# Altium PCB pcb-ash-power.PcbDoc (part 3 of 6) (continued)
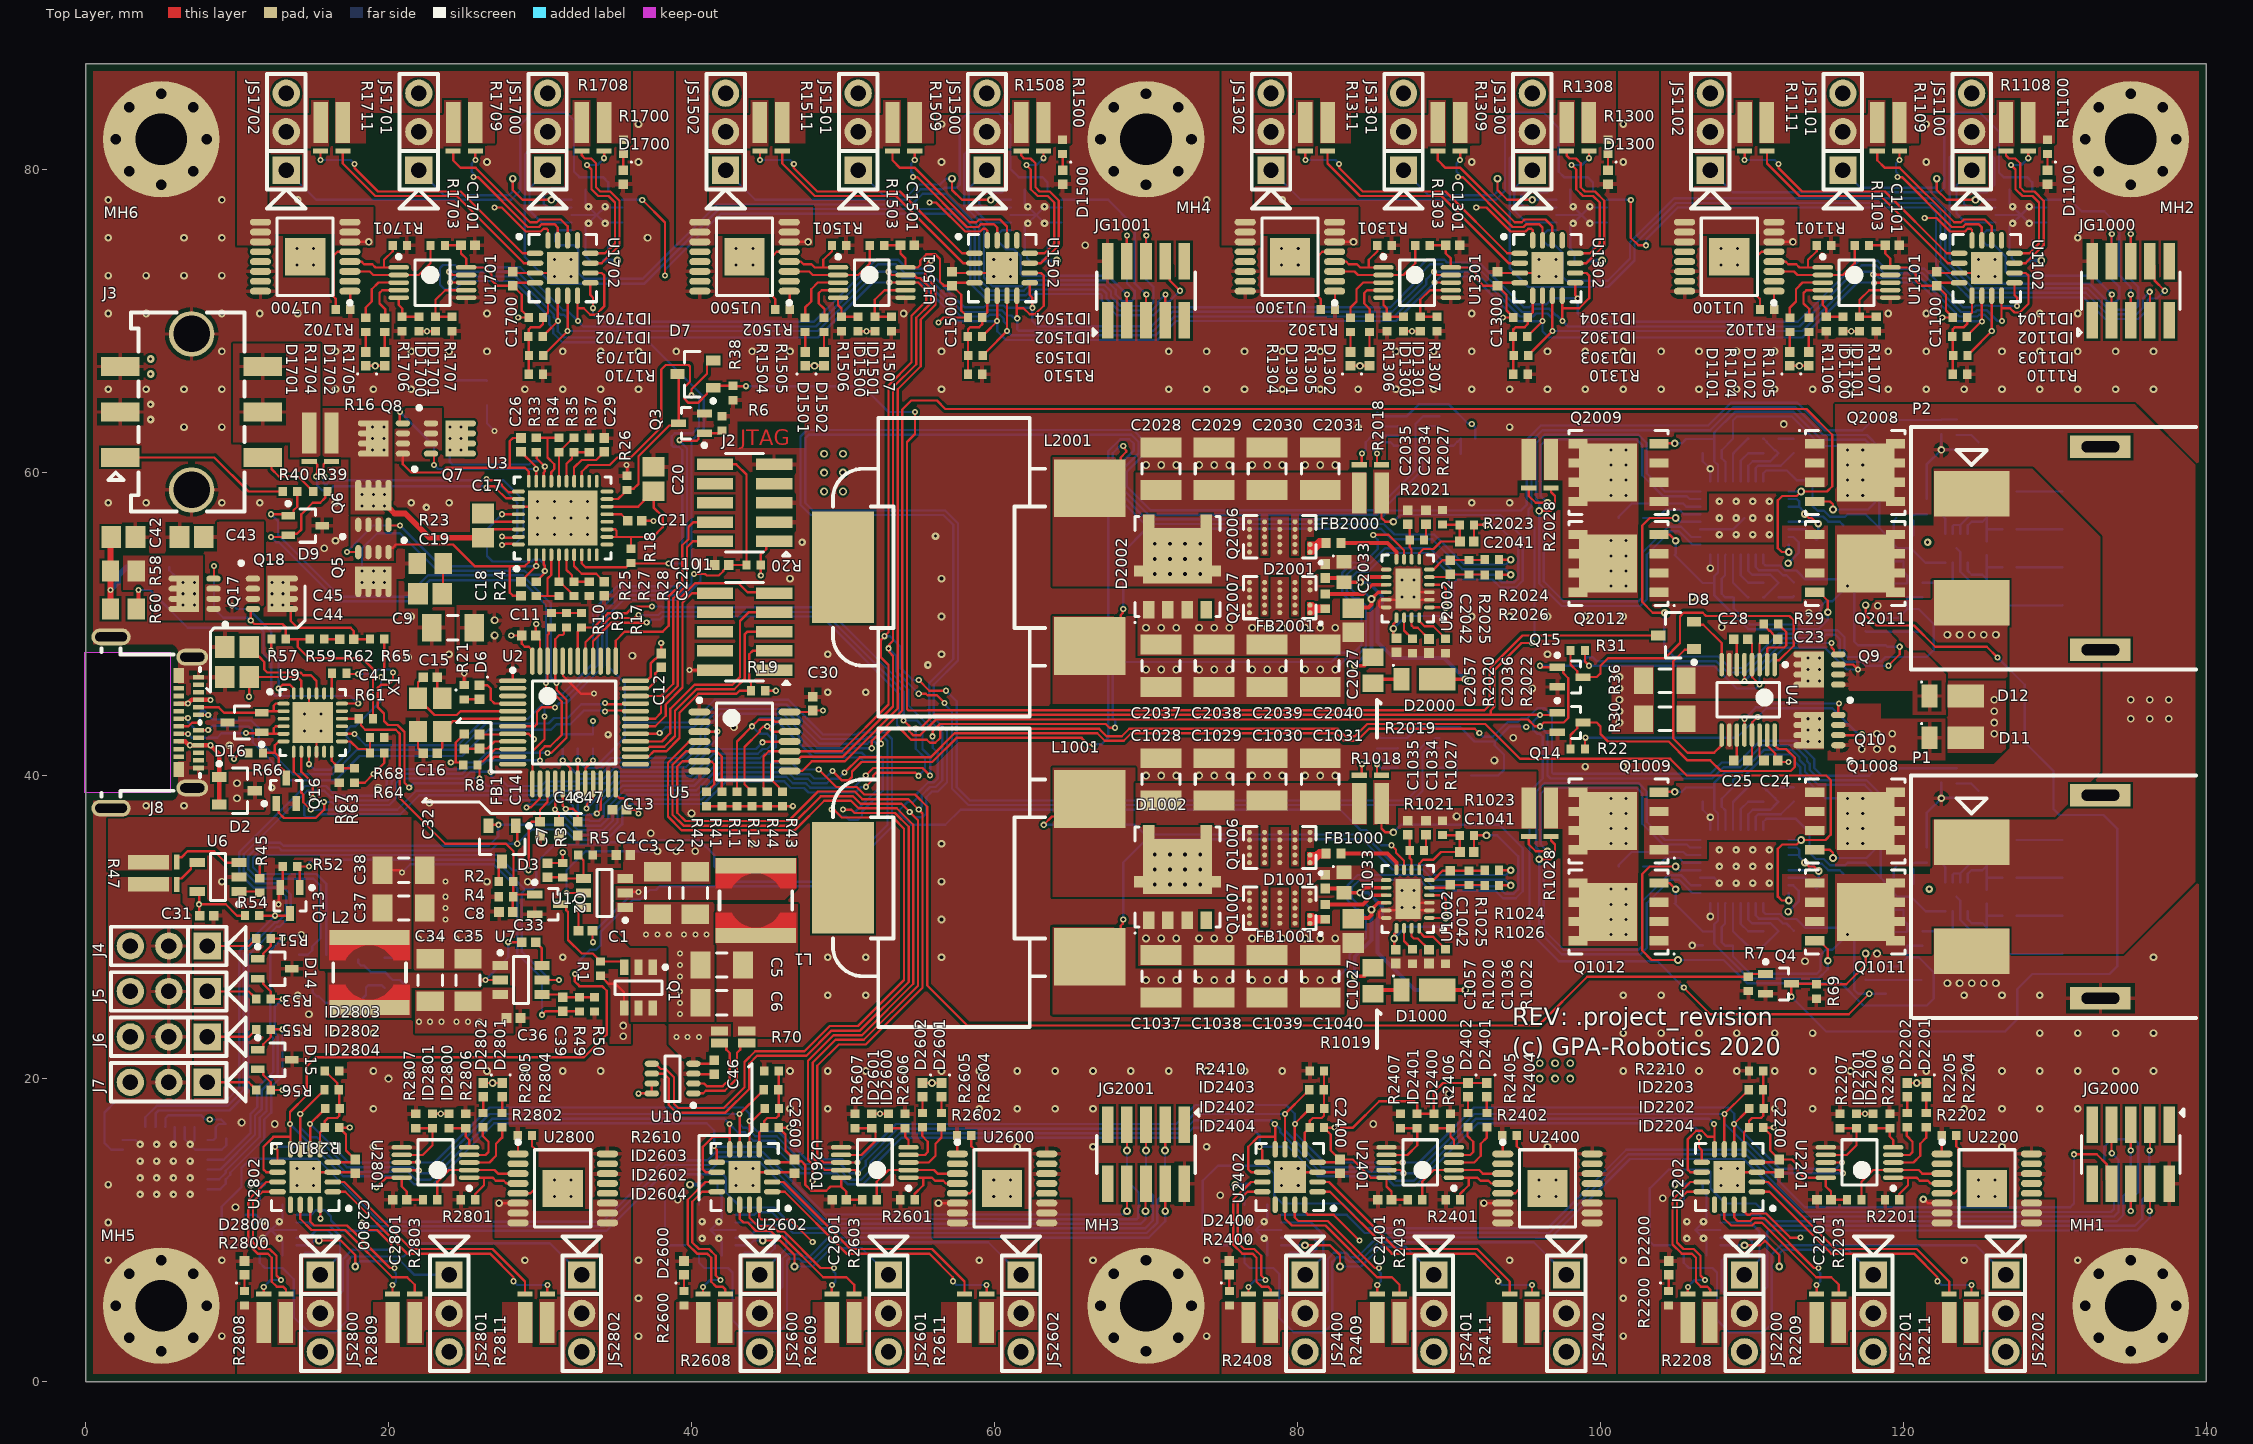
[diagram p0: Top Layer view]
## Nets (pads, with @x,y where several pads share a name; then routed paths per layer and width w, separated by ;. In a path a pad name is that pad's centre, name@x,y a point inside that pad or via, vN(x,y) a via of type N, cw(c..) or ccw(c..) an arc to the next point about the centre after c; other vN are vias at no path point) (continued)
  Bottom Layer w0.152: U8.21@2.45,15.95 3.3,15.95 v3(3.6,15.65) ; v3(5.8,15.65) 5.9,15.75 U8.26@5.9,16.8 ; U8.27@6.55,16.8 6.55,16 v3(6.9,15.65) ; U8.28@7.2,16.8 7.2,15.95 v3(6.9,15.65) ; C40.2@9.3,16.04 9.3,15.6 9,15.3 U8.2@8.05,15.3 7.25,15.3 v3(6.9,15.65) ; U2803.10@10.575,9.5 11.75,9.5 U2803.15@12.25,10 ; U2803.12@10.575,10.5 U2803.15@11.75,10.5 ; U2803.13@10.575,11 11.25,11 v3(11.7,10.55) U2803.15@11.75,10.5 ; v3(12.8,10.55) U2803.15@12.25,10 ; U2803.7@13,8.325 13,9.25 v3(12.8,9.45) U2803.15@12.25,10 ; U2803.15@13,10.75 U2803.1@13,11.675 ; U2803.4@13.925,10 U2803.15@12.25,10 ; C27.1@26.5,64.45 26.5,63.25 v2(27,62.75) ; U1703.4@32.075,77 U1703.15@33.75,77 ; U1703.15@33,76.25 U1703.1@33,75.325 33,74.29 C1702.1@33.29,74 ; U1703.7@33,78.675 33,77.75 v3(33.2,77.55) U1703.15@33.75,77 ; v3(33.2,76.45) U1703.15@33.75,77 ; U1703.12@35.425,76.5 34.25,76.5 U1703.15@33.75,77 ; U1703.10@35.425,77.5 34.25,77.5 U1703.15@33.75,77 ; C2602.1@41.71,13 41.71,12.542 42,12.252 U2603.1@42,11.675 U2603.15@42,10.75 ; v3(41.8,10.55) U2603.15@41.25,10 ; U2603.7@42,8.325 42,9.25 v3(41.8,9.45) U2603.15@41.25,10 ; U2603.4@42.925,10 U2603.15@41.25,10 ; U1503.15@62,76.25 U1503.1@62,75.325 62,74.6 62.141,74.459 62.141,74.149 C1502.1@62.29,74 ; U1503.7@62,78.675 62,77.75 v3(62.2,77.55) U1503.15@62.75,77 ; 62,74.6 U1503.15@62,76.25 ; U1503.7@62,78.675 62,77.75 U1503.15@62.75,77 ; U1503.10@64.425,77.5 63.25,77.5 U1503.15@62.75,77 ; v3(77.8,10.55) U2403.15@77.25,10 ; U2403.7@78,8.325 78,9.25 v3(77.8,9.45) U2403.15@77.25,10 ; U2403.15@78,10.75 U2403.1@78,11.675 ; U2403.4@78.925,10 U2403.15@77.25,10 ; C1026.1@85.25,41.79 86.59,41.79 U1000.3@86.625,41.825 ; C2026.1@85.25,63.04 86.59,63.04 U2000.3@86.625,63.075 ; U1303.4@97.075,77 U1303.15@98.75,77 ; U1303.7@98,78.675 98,77.75 v3(98.2,77.55) U1303.15@98.75,77 ; C1302.1@98.29,74 98.29,74.51 98,74.8 U1303.1@98,75.325 98,76.25 U1303.15@98.75,77 ; U1303.12@100.425,76.5 99.25,76.5 U1303.15@98.75,77 ; U1303.10@100.425,77.5 99.25,77.5 U1303.15@98.75,77 ; U1004.31@106.575,33.25 107.5,33.25 v3(107.85,32.9) ; U2004.31@106.575,56.25 108.75,56.25 U2004.37@109.5,57 ; C2202.1@106.71,13 106.759,12.951 106.759,12.541 107,12.3 U2203.1@107,11.675 U2203.15@107,10.75 ; v3(106.8,10.55) U2203.15@106.25,10 ; U2203.7@107,8.325 107,9.25 v3(106.8,9.45) U2203.15@106.25,10 ; U2203.4@107.925,10 U2203.15@106.25,10 ; R1037.1@111.75,39.225 112.735,39.225 C1049.1@112.75,39.21 ; R2050.1@111.75,51.775 112.695,51.775 C2056.1@112.75,51.83 ; R2037.1@111.75,62.225 112.735,62.225 C2049.1@112.75,62.21 ; Q1010.2@120.65,32.85 120.65,33.825 R1040.1@120.475,34 120.475,34.025 120.674,34.224 120.737,34.224 120.763,34.25 C1043.1@121.54,34.25 ; Q2010.2@120.65,55.85 120.65,56.825 R2040.1@120.475,57 120.475,57.025 120.674,57.224 120.737,57.224 120.763,57.25 C2043.1@121.54,57.25 ; U1103.4@126.075,77 U1103.15@127.75,77 ; U1103.15@127,76.25 U1103.1@127,75.325 127,74.6 127.141,74.459 127.141,74.149 C1102.1@127.29,74 ; U1103.7@127,78.675 127,77.75 v3(127.2,77.55) U1103.15@127.75,77 ; v3(127.2,76.45) U1103.15@127.75,77 ; U1103.12@129.425,76.5 128.25,76.5 U1103.15@127.75,77 ; U1103.10@129.425,77.5 128.25,77.5 U1103.15@127.75,77 ; U2803.15@11.75,10.5 U2803.15@12.25,10 ; U1503.15@62.75,77 U1503.4@61.075,77 U1503.15@62.75,77 ; U1503.15@62.75,77 v3(62.2,76.45) U1503.15@62.75,77 ; U1503.15@62.75,77 U1503.15@63.25,76.5 ; U1503.15@62.75,77 U1503.15@63.25,76.5 ; U1503.15@63.25,76.5 U1503.12@64.425,76.5 U1503.15@63.25,76.5
  other v1: 9,3 36.5,3 74,3 101.5,3 36.5,5.5 101.5,5.5 1.5,8 9,8 29,8 36.5,8 59,8 66.5,8 74,8 94,8 101.5,8 124,8 131.5,8 1.5,10.5 1.5,13 19,15.5 61.5,15.5 66.5,15.5 74,15.5 96.5,15.5 126.5,15.5 19,18 46.5,18 49,18 59,18 61.5,18 64,18 66.5,18 111.5,18 114,18 124,18 126.5,18 129,18 131.5,18 19,20.5 21.5,20.5 24,20.5 26.5,20.5 29,20.5 31.5,20.5 34,20.5 46.5,20.5 49,20.5 51.5,20.5 54,20.5 56.5,20.5 59,20.5 61.5,20.5 64,20.5 66.5,20.5 69,20.5 71.5,20.5 74,20.5 76.5,20.5 79,20.5 101.5,20.5 104,20.5 106.5,20.5 109,20.5 111.5,20.5 114,20.5 116.5,20.5 119,20.5 121.5,20.5 124,20.5 126.5,20.5 129,20.5 131.5,20.5 134,20.5 136.5,20.5 14,23 16.5,23 19,23 101.5,23 104,23 106.5,23 109,23 111.5,23 114,23 129,23 131.5,23 134,23 136.5,23 14,25.5 49,25.5 51.5,25.5 101.5,25.5 104,25.5 124,25.5 126.5,25.5 129,25.5 31.5,28 49,28 51.5,28 56.5,28 136.5,28 56.5,30.5 9,33 26.5,33 56.5,33 44,35.5 46.5,35.5 56.5,35.5 4,38 6.5,38 99,40.588 101.5,40.588 49,45.5 51.5,45.5 24,48 49,48 56.5,48 96.5,48 21.5,50.5 56.5,50.5 91.5,50.5 94,50.5 96.5,50.5 99,50.5 101.5,50.5 46.5,53 56.5,53 16.5,55.5 1.5,58 4,58 9,58 11.5,58 16.5,58 21.5,58 24,58 91.5,58 94,58 6.5,63 9,63 84,63 94,63 1.5,65.5 4,65.5 6.5,65.5 9,65.5 16.5,65.5 19,65.5 21.5,65.5 29,65.5 31.5,65.5 34,65.5 36.5,65.5 56.5,65.5 71.5,65.5 74,65.5 76.5,65.5 79,65.5 81.5,65.5 84,65.5 86.5,65.5 89,65.5 91.5,65.5 94,65.5 96.5,65.5 99,65.5 101.5,65.5 104,65.5 106.5,65.5 109,65.5 111.5,65.5 114,65.5 116.5,65.5 119,65.5 121.5,65.5 124,65.5 126.5,65.5 129,65.5 131.5,65.5 134,65.5 136.5,65.5 9,68 16.5,68 21.5,68 24,68 26.5,68 31.5,68 34,68 36.5,68 39,68 44,68 46.5,68 51.5,68 56.5,68 71.5,68 74,68 76.5,68 79,68 81.5,68 86.5,68 89,68 91.5,68 96.5,68 99,68 101.5,68 104,68 106.5,68 109,68 111.5,68 116.5,68 119,68 121.5,68 126.5,68 129,68 131.5,68 134,68 136.5,68 1.5,70.5 4,70.5 9,70.5 11.5,70.5 14,70.5 26.5,70.5 54,70.5 91.5,70.5 119,70.5 121.5,70.5 129,70.5 131.5,70.5 1.5,73 4,73 6.5,73 9,73 1.5,75.5 6.5,75.5 9,75.5 131.5,75.5 1.5,78 9,78 14,78 74,78 79,78 26.5,80.5 36.5,80.5 56.5,80.5 91.5,80.5 101.5,80.5 121.5,80.5 36.5,83 56.5,83 101.5,83 121.5,83
  other v3: 11.7,9.45 40.7,9.45 76.7,9.45 105.7,9.45 40.7,10.55 76.7,10.55 105.7,10.55 3.6,12.35 4.7,12.35 5.8,12.35 6.9,12.35 13.95,12.95 15.05,12.95 42.95,12.95 44.05,12.95 78.95,12.95 80.05,12.95 107.95,12.95 109.05,12.95 3.6,13.45 4.7,13.45 5.8,13.45 6.9,13.45 13.95,14.05 15.05,14.05 42.95,14.05 44.05,14.05 78.95,14.05 80.05,14.05 107.95,14.05 109.05,14.05 3.6,14.55 4.7,14.55 5.8,14.55 6.9,14.55 4.7,15.65 108.95,32.9 110.05,32.9 111.15,32.9 107.85,34 108.95,34 110.05,34 111.15,34 107.85,35.1 108.95,35.1 110.05,35.1 111.15,35.1 14.45,42.95 15.55,42.95 14.45,44.05 15.55,44.05 29.85,55.9 30.95,55.9 32.05,55.9 33.15,55.9 107.85,55.9 108.95,55.9 110.05,55.9 111.15,55.9 29.85,57 30.95,57 32.05,57 33.15,57 107.85,57 108.95,57 110.05,57 111.15,57 29.85,58.1 30.95,58.1 32.05,58.1 33.15,58.1 107.85,58.1 108.95,58.1 110.05,58.1 111.15,58.1 30.95,72.95 32.05,72.95 59.95,72.95 61.05,72.95 95.95,72.95 97.05,72.95 124.95,72.95 126.05,72.95 30.95,74.05 32.05,74.05 59.95,74.05 61.05,74.05 95.95,74.05 97.05,74.05 124.95,74.05 126.05,74.05 34.3,76.45 63.3,76.45 98.2,76.45 99.3,76.45 128.3,76.45 34.3,77.55 63.3,77.55 99.3,77.55 128.3,77.55
  other v4: 9.9,11.5 39.1,12 104.1,12.1 74.9,12.3 12.5,17 85,17 10.3,17.1 90,19 20,20 14.75,24.25 122.9,26.3 123.7,26.3 124.5,26.3 125.3,26.3 126.1,26.3 113.5,27.75 118.25,28.25 70,29.25 71,29.25 72,29.25 73.5,29.25 74.5,29.25 75.5,29.25 77,29.25 78,29.25 79,29.25 80.5,29.25 81.5,29.25 82.5,29.25 14.25,29.5 29.2,33 37.3,36.2 90.5,37.3 40,37.5 22.7,38.2 19.3,39.2 70,40 71,40 72,40 73.5,40 74.5,40 75.5,40 77,40 78,40 79,40 80.5,40 81.5,40 82.5,40 93,41 94.25,42.5 42.8,43.2 95.5,45.75 21.3,47.8 36.1,47.9 122.9,49.3 123.7,49.3 124.5,49.3 125.3,49.3 126.1,49.3 70,49.75 71,49.75 72,49.75 73.5,49.75 74.5,49.75 75.5,49.75 77,49.75 78,49.75 79,49.75 80.5,49.75 81.5,49.75 82.5,49.75 108,49.8 113.75,50.75 118.3,51.2 15.75,55 70,60.5 71,60.5 72,60.5 73.5,60.5 74.5,60.5 75.5,60.5 77,60.5 78,60.5 79,60.5 80.5,60.5 81.5,60.5 82.5,60.5 112.1,63.2 66,75 37.1,75.5
  other v7: 5,2 70,2 135,2 2.879,2.879 7.121,2.879 67.879,2.879 72.121,2.879 132.879,2.879 137.121,2.879 2,5 8,5 67,5 73,5 132,5 138,5 2.879,7.121 7.121,7.121 67.879,7.121 72.121,7.121 132.879,7.121 137.121,7.121 5,8 70,8 135,8 5,79 70,79 135,79 2.879,79.879 7.121,79.879 67.879,79.879 72.121,79.879 132.879,79.879 137.121,79.879 2,82 8,82 67,82 73,82 132,82 138,82 2.879,84.121 7.121,84.121 67.879,84.121 72.121,84.121 132.879,84.121 137.121,84.121 5,85 70,85 135,85
  other v8: 39.25,24.25 39.25,25 39.25,25.75 39.25,26.75 39.25,27.5 39.25,28.25 22,29.25 22.75,29.25 23.5,29.25 24.5,29.25 25.25,29.25 26,29.25 37,29.5 37.75,29.5 38.5,29.5 39.5,29.5 40.25,29.5 41,29.5 23.75,30.5 23.75,31.25 23.75,32 23.75,33
  other v11: 86.9,31.3 87.7,31.3 86.9,32.4 87.7,32.4 12.3,39.2 9.5,42 34.5,42.7 86.9,51.8 87.7,51.8 86.9,52.9 87.7,52.9 47.3,55.4 22.5,57.7 4.3,63.5 4.3,64.5
  other v13: 121.7,32.5 55.6,47.3 121.6,55.4 56.1,55.8
I2C_RESET: Q16.1 U2.11 U5.3 | length 37.8
  Top Layer w0.152: Q16.1@12.6,38.15 12.759,37.991 12.759,37.541 13.1,37.2 15.2,37.2 15.75,37.75 v2(15.75,38.25) ; v2(26.75,40.25) 26.75,41 27,41.25 U2.11@28.2,41.25 ; U5.3@40.525,42.9 v2(41.7,42.9)
  Bottom Layer w0.152: v2(15.75,38.25) 16.25,38.25 16.445,38.055 20.055,38.055 20.5,38.5 20.5,39.487 20.818,39.805 24.974,39.805 25.419,40.25 v2(26.75,40.25) 26.778,40.222 26.778,39.972 27.14,39.61 27.566,39.61 27.871,39.305 30.071,39.305 30.376,39.61 32.41,39.61 32.595,39.795 34.185,39.795 34.945,40.555 39.624,40.555 41.124,42.055 41.312,42.055 41.7,42.443 v2(41.7,42.9)
ILIM_REG_L: R1020.1 U1002.18 | length 1.6
  Top Layer w0.152: U1002.18@87.03,29.925 87.03,29.075 R1020.1@87.58,28.525
ILIM_REG_R: R2020.1 U2002.18 | length 1.6
  Top Layer w0.152: U2002.18@87.03,50.425 87.03,49.575 R2020.1@87.58,49.025
INTVCC: C20.2 R18.2 U3.12 U3.13 U3.16 | length 12
  Top Layer w0.152: U3.12@34.425,55.75 35.05,55.75 ; U3.13@34.425,56.25 34.961,56.25 35.05,56.161 35.05,55.75 ; U3.16@34.425,57.75 36.475,57.75 36.851,58.126 36.851,58.201 37.425,58.775 C20.2@37.5,58.775 37.5,57.7 38.1,57.1 38.1,56.4 37.45,55.75 36,55.75 ; R18.2@36,54.975 36,55.75 ; 35.05,55.75 36,55.75
INTVCC_REG_L: C1027.1 R1019.1 U1002.1 U1002.4 U1002.14 | length 23.3
  Top Layer w0.152: U1002.1@88.705,30.6 89.755,30.6 v6(89.78,30.625) 89.78,31.85 89.53,32.1 U1002.4@88.705,32.1
  Top Layer w0.25: C1027.1@83.68,30.55 83.73,30.6 84.68,30.6 84.88,30.8 v6(84.88,31.15) 85.33,31.6 U1002.14@85.855,31.6 ; v6(83.78,26.75) 84.43,26.75 R1019.1@84.98,27.3
  Bottom Layer w0.152: v6(84.88,31.15) 84.53,31.5 84,31.5 83.6,31.9 83.6,32.62 84.105,33.125 88.044,33.125 88.774,32.395 89.605,32.395 89.78,32.22 v6(89.78,30.625)
  Bottom Layer w0.25: v6(83.78,26.75) 83.78,28.05 84.88,29.15 v6(84.88,31.15)
INTVCC_REG_R: C2027.1 R2019.1 U2002.1 U2002.4 U2002.14 | length 24.9
  Top Layer w0.152: U2002.1@88.705,51.1 89.755,51.1 v6(89.78,51.125) 89.78,52.35 89.53,52.6 U2002.4@88.705,52.6
  Top Layer w0.25: C2027.1@83.68,51.05 83.73,51.1 84.68,51.1 84.88,51.3 v6(84.88,51.65) 85.33,52.1 U2002.14@85.855,52.1 ; v6(83.78,47.25) 84.43,47.25 R2019.1@84.98,47.8
  Bottom Layer w0.152: v6(84.88,51.65) 84.53,52 83.856,52 83.555,52.301 83.555,53.075 83.93,53.45 84.657,53.45 85.903,54.695 88.624,54.695 89.995,53.324 89.995,51.695 89.791,51.491 89.791,51.136 v6(89.78,51.125)
  Bottom Layer w0.25: v6(83.78,47.25) 84.88,48.35 v6(84.88,51.65)
ISENS+_REG_L: R1018.4 U1000.1 | length 2.4
  Top Layer w0.152: v2(85.25,40.75) 85.25,40.124 85.349,40.025 R1018.4@85.55,40.025
  Bottom Layer w0.152: v2(85.25,40.75) 85.475,40.525 U1000.1@86.625,40.525
ISENS+_REG_R: R2018.4 U2000.1 | length 3.4
  Top Layer w0.152: v2(85.25,61.25) 85.25,60.624 85.349,60.525 R2018.4@85.55,60.525
  Bottom Layer w0.152: v2(85.25,61.25) 85,61.5 85,61.75 85.25,62 86.137,62 86.362,61.775 U2000.1@86.625,61.775
ISENS-_REG_L: R1018.3 U1000.2 | length 3.5
  Top Layer w0.152: R1018.3@84.08,40.024 84.151,40.024 84.25,40.123 v2(84.25,40.75)
  Bottom Layer w0.152: v2(84.25,40.75) 84.5,41 84.889,41 85.071,41.182 85.429,41.182 85.611,41 86.137,41 86.312,41.175 U1000.2@86.625,41.175
ISENS-_REG_R: R2018.3 U2000.2 | length 4
  Top Layer w0.152: R2018.3@84.08,60.524 84.151,60.524 84.25,60.623 v2(84.25,61.25)
  Bottom Layer w0.152: v2(84.25,61.25) 84.5,61.5 84.5,62 84.925,62.425 U2000.2@86.625,62.425
ITH_REG_L: C1035.2 R1021.2 U1002.8 | length 2.4
  Top Layer w0.152: C1035.2@87.28,36.09 87.405,35.965 R1021.2@87.405,35.05 87.405,34.55 87.53,34.425 U1002.8@87.53,33.775
ITH_REG_R: C2035.2 R2021.2 U2002.8 | length 2.4
  Top Layer w0.152: C2035.2@87.28,56.59 87.405,56.465 R2021.2@87.405,55.55 87.405,55.05 87.53,54.925 U2002.8@87.53,54.275
L_I2C.SCL: ID1102.2 ID1302.2 ID1502.2 ID1702.2 R44.1 U5.10 U1000.5 U1101.8 U1102.6 U1301.8 U1302.6 U1501.8 U1502.6 U1701.8 U1702.6 | length 220.9
  Top Layer w0.152: v2(24.05,72.54) U1701.8@25.125,72.54 ; ID1702.2@30.175,68.99 30.175,69.015 30.374,69.214 30.399,69.214 v8(31.175,69.99) U1702.6@31.175,71.675 ; R44.1@45,38.925 44.975,38.925 44.776,39.124 44.776,39.149 44.75,39.175 44.75,41.25 45.1,41.6 U5.10@46.475,41.6 49.919,41.6 53,44.681 53,47.3 52.5,47.8 52.5,48.954 v2(52.746,49.2) 53,49.454 53,65.75 54.525,67.275 54.525,70.351 55.5,71.326 55.5,72 54.96,72.54 U1501.8@54.125,72.54 v2(53.05,72.54) ; v2(55,46.3) 55.7,45.6 v2(56.8,45.6) ; ID1502.2@59.175,68.99 59.175,69.015 59.374,69.214 59.399,69.214 v8(60.175,69.99) U1502.6@60.175,71.675 ; v2(89.05,72.54) U1301.8@90.125,72.54 ; ID1302.2@95.175,68.99 95.175,69.015 95.374,69.214 95.399,69.214 v8(96.175,69.99) U1302.6@96.175,71.675 ; v2(118.053,72.512) 118.067,72.526 119.111,72.526 U1101.8@119.125,72.54 ; ID1102.2@124.175,69.015 125.129,69.969 v8(125.175,69.969) ; v8@125.175,69.99 U1102.6@125.175,71.675
  Bottom Layer w0.152: v2(24.05,72.54) 24.455,72.945 28.386,72.945 30.905,70.426 30.905,70.26 v8(31.175,69.99) 31.175,69.325 31.589,68.911 48.342,68.911 51.971,72.54 55.091,72.54 57.641,69.99 v8(60.175,69.99) 60.175,69.325 60.75,68.75 70.75,68.75 72,70 86.51,70 89.455,72.945 91.608,72.945 94.564,69.99 v8(96.175,69.99) 96.175,69.325 96.589,68.911 113.342,68.911 116.971,72.54 118.025,72.54 v2(118.053,72.512) ; v2(52.746,49.2) 53.1,49.2 53.8,48.5 53.8,47.1 54.6,46.3 v2(55,46.3) ; v2(56.8,45.6) 57.5,44.9 57.5,39.25 58.39,38.36 87.179,38.36 87.945,39.126 87.945,41.626 88.449,42.13 88.778,42.13 89.123,42.475 U1000.5@89.375,42.475 ; v2@118.053,72.54 121,72.54 123.55,69.99 125.154,69.99 v8(125.175,69.969)
L_I2C.SDA: ID1103.2 ID1303.2 ID1503.2 ID1703.2 R43.1 U5.9 U1000.6 U1101.9 U1102.7 U1301.9 U1302.7 U1501.9 U1502.7 U1701.9 U1702.7 | length 229
  Top Layer w0.152: v2(24,73.25) 24.006,73.25 24.216,73.04 U1701.9@25.125,73.04 ; ID1703.2@30.225,67.74 30.225,67.765 30.424,67.964 30.449,67.964 v8(31.825,69.34) U1702.7@31.825,71.675 ; R43.1@46,38.925 45.975,38.925 45.776,39.124 45.776,39.224 45.25,39.75 45.25,40.75 45.45,40.95 U5.9@46.475,40.95 46.966,40.95 47.266,41.25 50,41.25 53.305,44.555 53.305,47.9 53.049,48.156 53.049,48.313 53,48.362 v2(53,48.4) 53.049,48.449 53.049,48.644 53.305,48.9 53.305,65.624 54.83,67.149 54.83,70.225 55.805,71.2 55.805,72.126 55.086,72.845 54.881,72.845 54.685,73.04 U1501.9@54.125,73.04 53.216,73.04 53.006,73.25 v2(53,73.25) ; v2(55,45.4) 55.469,45.4 55.574,45.295 56.205,45.295 v2(56.7,44.8) ; ID1503.2@59.225,67.74 59.225,67.765 59.424,67.964 59.449,67.964 v8(60.825,69.34) U1502.7@60.825,71.675 ; v2(89,73.25) 89.006,73.25 89.216,73.04 U1301.9@90.125,73.04 ; ID1303.2@95.225,67.74 95.225,67.765 95.424,67.964 95.449,67.964 v8(96.825,69.34) U1302.7@96.825,71.675 ; v2(118,73.068) 118.014,73.054 119.111,73.054 U1101.9@119.125,73.04 ; ID1103.2@124.225,67.74 124.225,67.765 124.424,67.964 124.449,67.964 v8(125.825,69.34) U1102.7@125.825,71.675
  Bottom Layer w0.152: v2(24,73.25) 28.512,73.25 31.352,70.411 31.589,70.411 31.825,70.175 v8(31.825,69.34) 48.34,69.34 52.25,73.25 53.5,73.25 53.905,72.845 55.217,72.845 57.767,70.295 59.545,70.295 59.669,70.419 60.353,70.419 60.604,70.168 60.604,69.971 60.825,69.75 v8(60.825,69.34) 61.11,69.055 70.624,69.055 71.874,70.305 86.384,70.305 88.5,72.421 88.5,72.75 v2(89,73.25) 91.735,73.25 94.69,70.295 95.545,70.295 95.75,70.5 96.5,70.5 96.825,70.175 v8(96.825,69.34) 113.34,69.34 117.25,73.25 118,73.25 v2@118.091,73.159 ; v2(53,48.4) 53.495,47.905 53.495,46.905 v2(55,45.4) ; v2(56.7,44.8) 56.7,44.7 57.195,44.205 57.195,39.124 58.264,38.055 87.305,38.055 88.25,39 88.25,41.5 88.575,41.825 U1000.6@89.375,41.825 ; v2(118,73.068) v2@118.091,73.159 ; v8(125.825,69.34) 125.825,69.946 125.353,70.419 124.997,70.419 124.874,70.295 123.676,70.295 121.126,72.845 118.405,72.845 v2@118.091,73.159
NetC1_1: C1.1 U1.6 | length 1.8
  Top Layer w0.152: C1.1@32.54,29.75 32.54,31.076 32.764,31.3 U1.6@32.875,31.3
NetC1_2: C1.2 L1.1 U1.2 | length 6.4
  Top Layer w0.152: C1.2@33.46,29.75 33.46,29.04 v2(33.5,29) ; U1.2@35.625,32.25 35.698,32.323 v2(36.512,32.323)
  Bottom Layer w0.152: v2(33.5,29) 33.5,29.6 36.174,32.274 36.464,32.274 v2(36.512,32.323)
NetC2_2: C2.2 C3.2 C4.2 D2.C Q1.1 Q1.2 Q1.5 Q1.6 U1.3 U1.5 | length 9.1
  Top Layer w0.152: v2(31.75,32.25) U1.5@32.875,32.25
  Bottom Layer w0.152: v2(31.75,32.25) 31.75,33.75 33,35 v4(37.75,35)
  other v4: 39,35 40.25,35 10,38.5 10,39.5
NetC5_2: C5.2 C6.2 L1.2 R70.2
NetC7_1: C7.1 R3.1 R5.2 U1.4 | length 4.1
  Top Layer w0.152: C7.1@30.5,33.29 31.485,33.29 R3.1@31.5,33.275 31.575,33.2 U1.4@32.875,33.2 32.875,34.4 32.749,34.526 32.724,34.526 32.525,34.725 R5.2@32.525,34.75
NetC14_2: C14.2 FB1.2 U2.9 | length 3.4
  Top Layer w0.152: FB1.2@25,41.76 25.97,41.76 C14.2@26,41.79 26.54,41.79 27,42.25 U2.9@28.2,42.25
NetC15_2: C15.2 U2.5 X1.1 | length 8.3
  Top Layer w0.152: C15.2@22.29,46.481 21.95,46.141 X1.1@21.95,45.1 21.95,45.077 23.027,44 24.5,44 24.75,44.25 U2.5@28.2,44.25
NetC16_2: C16.2 U2.6 X1.2 | length 6.6
  Top Layer w0.152: C16.2@23.21,41.481 23.55,41.821 X1.2@23.55,42.9 24.25,43.6 24.6,43.6 24.75,43.75 U2.6@28.2,43.75
NetC17_1: C17.1 U3.33 | length 2.6
  Top Layer w0.152: C17.1@26.25,57.3 26.8,56.75 U3.33@28.575,56.75
NetC18_1: C18.1 Q5.4 Q6.4 U3.2 | length 18.1
  Top Layer w0.152: v2(17.25,54.75) Q5.4@18.001,54.75 ; Q6.4@19.999,56.55 20.049,56.5 v2(20.75,56.5) ; C18.1@28.75,52.785 28.994,53.029 28.994,53.069 v2(29.75,53.825) U3.2@29.75,54.575
  Bottom Layer w0.152: v2(17.25,54.75) 19,56.5 v2(20.75,56.5) 23.425,53.825 v2(29.75,53.825)
NetC18_2: C18.2 Q5.1 Q5.2 Q5.3 Q6.1 Q6.2 Q6.3 U3.1 | length 13.3
  Top Layer w0.152: Q5.1@19.999,54.75 19.999,54.924 20.113,55.038 20.287,55.038 20.499,55.25 24.25,55.25 25.675,53.825 28,53.825 ; C18.2@28.75,51.865 28.21,51.865 28,52.075 28,53.825 ; U3.1@29.25,54.575 29.25,54.075 29,53.825 28,53.825
NetC19_2: C19.2 R23.1 | length 2
  Top Layer w0.152: C19.2@23.55,52 23.55,52.05 23.6,52.1 R23.1@23.6,54
NetC21_2: C21.2 U3.15 | length 1.5
  Top Layer w0.152: U3.15@34.425,57.25 35.365,57.25 C21.2@35.79,56.825
NetC22_2: C22.2 U3.7 | length 3.2
  Top Layer w0.152: U3.7@32.25,54.575 32.25,53.825 32.75,53.325 33.71,53.325 C22.2@34.25,52.785
NetC23_2: C23.2 U4.3 | length 1.8
  Top Layer w0.152: U4.3@110.5,47.325 110.5,48.71 C23.2@110.79,49
NetC24_2: C24.2 U4.14 | length 1.8
  Top Layer w0.152: U4.14@110.5,42.675 110.5,41.29 C24.2@110.79,41
NetC25_2: C25.2 U4.11 | length 1.8
  Top Layer w0.152: C25.2@108.79,41 109,41.21 U4.11@109,42.675
NetC26_1: C26.1 Q7.4 Q8.4 U3.27 | length 15.4
  Top Layer w0.152: v2(20.75,64) 20.75,63.363 20.864,63.249 Q8.4@20.95,63.249 ; Q7.4@22.8,61.251 22.886,61.251 23,61.137 v2(23,60.5) ; C26.1@28.75,61.365 29.75,60.365 v2@29.75,60.25 ; v2(29.732,60.232) v2@29.75,60.25 ; U3.27@29.75,59.425 v2@29.75,60.25
  Bottom Layer w0.152: v2(20.75,64) 23,61.75 v2(23,60.5) 23.268,60.232 v2(29.732,60.232)
NetC26_2: C26.2 Q7.1 Q7.2 Q7.3 Q8.1 Q8.2 Q8.3 U3.28 | length 12.7
  Top Layer w0.152: Q8.1@20.95,61.251 20.95,60.55 21.5,60 23.5,60 23.825,60.325 28,60.325 ; C26.2@28.75,62.285 28.21,62.285 28,62.075 28,60.325 ; U3.28@29.25,59.425 29.25,60.075 29,60.325 28,60.325
NetC27_2: C27.2 R32.1 | length 2
  Bottom Layer w0.152: R32.1@24.5,66.1 26.45,66.1 C27.2@26.5,66.05
NetC28_2: C28.2 U4.6 | length 1.8
  Top Layer w0.152: C28.2@108.79,49 109,48.79 U4.6@109,47.325
NetC29_2: C29.2 U3.22 | length 3.3
  Top Layer w0.152: U3.22@32.25,59.425 32.25,60.325 32.75,60.825 33.71,60.825 C29.2@34.25,61.365
NetC34_2: C34.2 C35.2 C36.2 Q11.1 Q11.2 Q11.5 Q11.6 U7.3
  other v8: 22,23.75 22.75,23.75 23.5,23.75 24.5,23.75 25.25,23.75 26,23.75
NetC41_1: C41.1 R59.2 | length 1
  Top Layer w0.152: R59.2@15.75,49 C41.1@16.79,49
NetC42_2: C42.2 D17.C R58.1 R60.2 | length 7.1
  Top Layer w0.381: R60.2@1.65,51 v2(1.65,52.25) R58.1@1.65,53.5 1.65,55.7 C42.2@1.7,55.75
  Bottom Layer w0.381: v2(1.65,52.25) 2.152,52.752 2.152,53.19 2.711,53.75 D17.C@3.15,53.75
NetC43_2: C43.2 Q17.1 Q17.2 Q17.3 Q18.1 Q18.2 Q18.3 R57.2 U9.24 | length 9.6
  Top Layer w0.152: v2(12.25,48.25) 12.25,48.975 R57.2@12.275,49 ; v2(12.75,45.75) 13,46 13.5,46 13.701,45.799 13.701,45.775 13.75,45.726 U9.24@13.75,45.425
  Bottom Layer w0.152: v2(9.673,51.221) 9.701,51.25 9.75,51.25 10,51 10.75,51 12.25,49.5 v2(12.25,48.25) 12.75,47.75 v2(12.75,45.75)
NetC1034_2: C1034.2 R1021.1 | length 1.1
  Top Layer w0.152: R1021.1@88.355,35.05 88.48,35.175 C1034.2@88.48,36.09
NetC1043_2: C1043.2 R1029.1 U1003.1 | length 2.4
  Bottom Layer w0.152: R1029.1@122.475,35.25 122.475,34.265 C1043.2@122.46,34.25 122.75,33.96 U1003.1@122.75,32.95
NetC1045_2: C1045.2 R1030.1 | length 1.6
  Bottom Layer w0.152: R1030.1@123.5,39.475 124.475,39.475 C1045.2@124.95,39
NetC1049_2: C1049.2 U1004.7 | length 3.8
  Bottom Layer w0.152: U1004.7@110.25,36.425 110.25,37.295 110.4,37.445 111.905,37.445 C1049.2@112.75,38.29
NetC1051_1: C1051.1 U1004.33 | length 4.1
  Bottom Layer w0.152: C1051.1@102.8,34 103.75,34 104.305,34.555 105.195,34.555 105.5,34.25 U1004.33@106.575,34.25
NetC1054_2: C1054.2 U1004.12 U1004.13 U1004.16 | length 6.9
  Top Layer w0.152: v6(113.5,34.25) 113.517,34.25 113.767,34 114.1,34 v6(114.4,33.7)
  Bottom Layer w0.152: U1004.16@112.425,33.25 113.55,33.25 C1054.2@114.25,32.55 114.4,32.7 v6(114.4,33.7) ; U1004.13@112.425,34.75 113.11,34.75 ; U1004.12@112.425,35.25 112.96,35.25 113.11,35.1 113.11,34.75 ; v6(113.5,34.25) 113.11,34.64 113.11,34.75
NetC1055_2: C1055.2 U1004.15 | length 4.1
  Bottom Layer w0.152: U1004.15@112.425,33.75 113.7,33.75 114.133,34.183 114.609,34.183 115.042,33.75 115.79,33.75 C1055.2@116.04,33.5
NetC1056_2: C1056.2 U1004.22 | length 3.7
  Bottom Layer w0.152: U1004.22@110.25,31.575 110.25,30.76 110.455,30.555 111.72,30.555 112.046,30.229 112.271,30.229 C1056.2@112.75,29.75
NetC2034_2: C2034.2 R2021.1 | length 1.1
  Top Layer w0.152: R2021.1@88.355,55.55 88.48,55.675 C2034.2@88.48,56.59
NetC2043_2: C2043.2 R2029.1 U2003.1 | length 2.4
  Bottom Layer w0.152: R2029.1@122.475,58.25 122.475,57.265 C2043.2@122.46,57.25 122.75,56.96 U2003.1@122.75,55.95
NetC2045_2: C2045.2 R2030.1 | length 1.6
  Bottom Layer w0.152: R2030.1@123.5,62.475 124.475,62.475 C2045.2@124.95,62
NetC2049_2: C2049.2 U2004.7 | length 3.8
  Bottom Layer w0.152: U2004.7@110.25,59.425 110.25,60.295 110.4,60.445 111.905,60.445 C2049.2@112.75,61.29
NetC2051_1: C2051.1 U2004.33 | length 4.1
  Bottom Layer w0.152: C2051.1@102.8,57 103.75,57 104.305,57.555 105.195,57.555 105.5,57.25 U2004.33@106.575,57.25
NetC2054_2: C2054.2 U2004.12 U2004.13 U2004.16 | length 6.9
  Top Layer w0.152: v10(113.484,57.266) 113.75,57 113.925,57 114.308,56.616 v10(114.371,56.616) ; v10@114.419,56.665 114.456,56.628 v10@114.456,56.616
  Bottom Layer w0.152: U2004.16@112.425,56.25 113.55,56.25 C2054.2@114.25,55.55 114.371,55.671 v10(114.371,56.616) ; U2004.13@112.425,57.75 113.11,57.75 ; U2004.12@112.425,58.25 112.96,58.25 113.11,58.1 113.11,57.75 ; v10(113.484,57.266) 113.484,57.362 113.217,57.629 113.217,57.642 113.11,57.75
NetC2055_2: C2055.2 U2004.15 | length 4
  Bottom Layer w0.152: U2004.15@112.425,56.75 113.65,56.75 114,57.1 114.692,57.1 115.042,56.75 115.79,56.75 C2055.2@116.04,56.5
NetC2056_2: C2056.2 U2004.22 | length 3.7
  Bottom Layer w0.152: U2004.22@110.25,54.575 110.25,53.76 110.455,53.555 111.72,53.555 112.046,53.229 112.271,53.229 C2056.2@112.75,52.75
NetD3_C: D3.C R2.1 | length 1.4
  Top Layer w0.152: R2.1@27.275,33 27.275,34.1 D3.C@27.5,34.325
NetD6_A: D6.1 U2.4 | length 3.1
  Top Layer w0.152: D6.1@26,45.96 26.54,45.96 26.75,45.75 26.75,45 27,44.75 U2.4@28.2,44.75
NetD6_C: D6.2 R21.2 | length 1
  Top Layer w0.152: R21.2@25,45.025 25.015,45.04 D6.2@26,45.04
NetD7_A2: D7.A2 R18.1 U3.8 U9.14 | length 54.3
  Top Layer w0.152: U9.14@16.925,42.75 v2(17.75,42.75) ; U3.8@32.75,54.575 32.75,54 33,53.75 35.7,53.75 35.975,54.025 R18.1@36,54.025 35.975,54 v2(38.5,54) ; v2(40,65.1) 40,65.5 41.026,66.526 41.026,67.151 41.275,67.4 D7.A2@41.425,67.4
  Bottom Layer w0.152: v2(17.75,42.75) 18.495,42.005 24.574,42.005 26.305,43.736 29.194,43.736 30.858,45.4 31.5,45.4 33.5,47.4 33.5,50.9 35.105,52.505 38.974,52.505 39.395,52.926 39.395,54 ; v2(38.5,54) 39.395,54 ; v2(40,65.1) 40.018,65.082 40.287,65.082 40.5,64.869 40.5,63.026 40.074,62.6 38.9,62.6 38.7,62.4 38.7,61.8 38.795,61.705 39.164,61.705 39.395,61.474 39.395,54
NetD8_A1: D8.A1 U4.9 | length 11.3
  Top Layer w0.152: D8.A1@106.175,48.35 106.136,48.311 105.561,48.311 104.796,47.546 104.796,42.454 105.75,41.5 107.5,41.5 107.926,41.926 107.926,41.936 108,42.01 U4.9@108,42.675
NetD8_A2: D8.A2 U4.8 | length 3.8
  Top Layer w0.152: D8.A2@106.175,50.15 106.364,49.961 106.789,49.961 108,48.75 U4.8@108,47.325
NetD13_C: D13.C Q12.1 R48.2 | length 6
  Bottom Layer w0.152: D13.C@15,25.825 15,25.675 15.249,25.426 15.399,25.426 15.825,25 18,25 18.516,25.516 18.516,26.016 Q12.1@18.65,26.15 19.575,26.15 R48.2@19.75,25.975